# KiCad board poly_kb_molecule_8x5.kicad_pcb (continued)
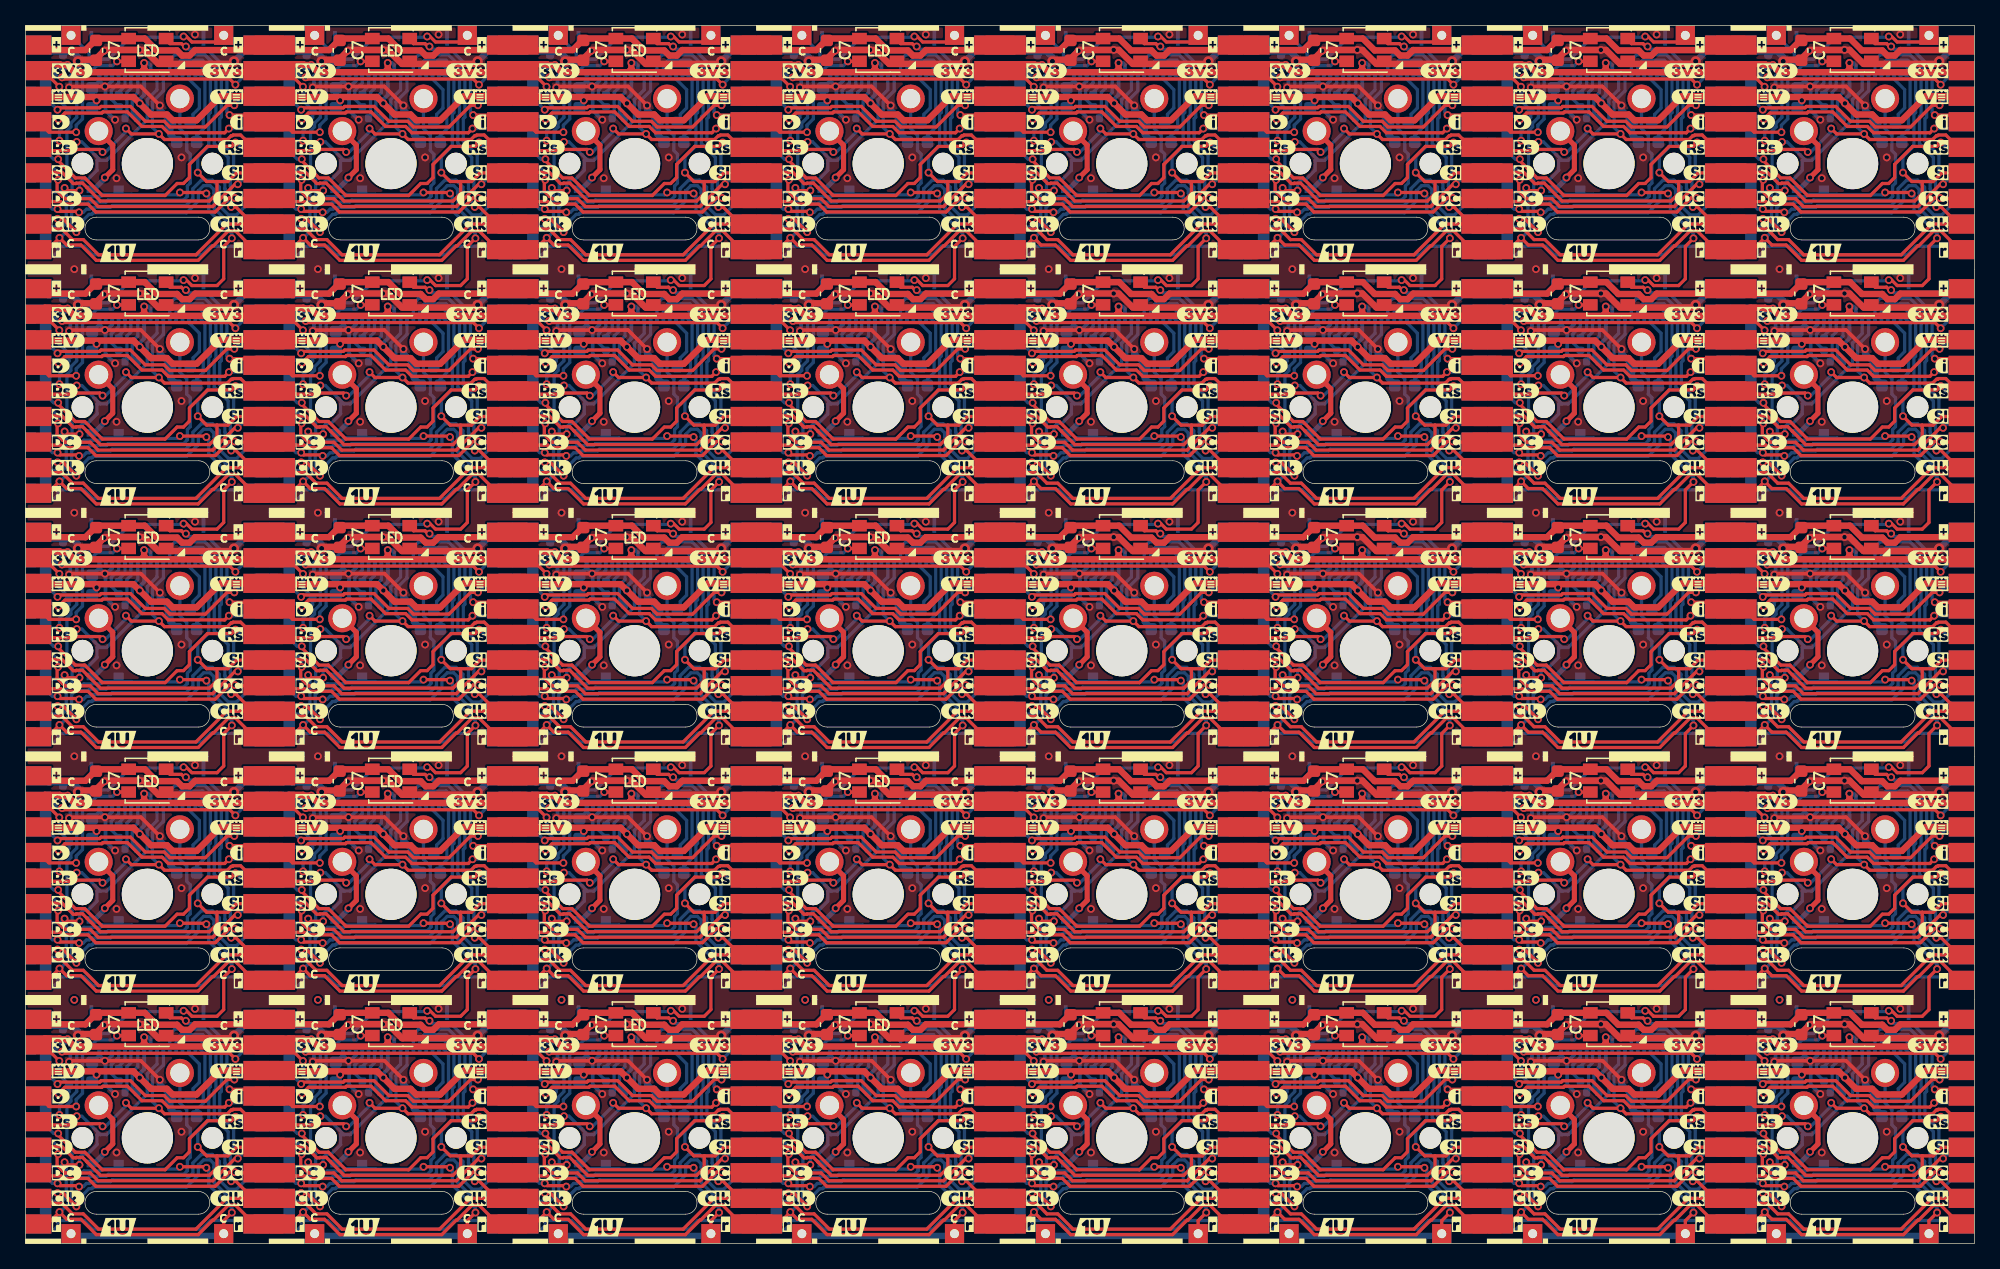
[diagram p0: board, top side]
## Routing (per net, layer and track width the routed paths; a pad name or vN(x,y) marks a point on that pad's centre or on a via; arc(x,y) is an arc through that point) (continued)
  Bottom w1.5: J5#25.9 J6#3.9 ; J6#35.9 J5#13.9 ; J5#40.9 J6#39.9 ; J6#15.9 J5#11.9 ; J6#10.9 J5#15.9 ; J6#12.9 J5#23.9 ; J6#11.9 J5#31.9 ; J5#33.9 J6#6.9 ; J6#27.9 J5#4.9 ; J5#20.9 J6#20.9 ; J6#18.9 J5#37.9 ; J6#37.9 J5#16.9 ; J6#26.9 J5#6.9 ; J5#36.9 J6#30.9 ; J6#22.9 J5#24.9 ; J6#13.9 J5#22.9 ; J6#14.9 J5#12.9 ; J6#31.9 J5#18.9 ; J5#17.9 J6#21.9 ; J6#40.9 J5#19.9 ; J5#9.9 J6#16.9 ; J6#32.9 J5#14.9 ; J6#28.9 J5#10.9 ; J6#19.9 J5#28.9 ; J6#29.9 J5#26.9 ; J6#25.9 J5#7.9 ; J6.9 J5#32.9 ; J6#34.9 J5#39.9 ; J6#8.9 J5#5.9 ; J5#35.9 J6#2.9 ; J6#17.9 J5#29.9 ; J6#7.9 J5#38.9 ; J5#30.9 J6#36.9 ; J6#23.9 J5#8.9 ; J5#2.9 J6#4.9
Net-(C1-Pad1): length 242
  Bottom w0.254: C1#34.1 108.62,67.59 109.14,68.11 109.14,69.45 109.27,69.58 109.27,71.96 108.84,72.39 J1#17.16 ; J1#21.16 89.79,53.34 90.22,52.91 90.22,50.53 90.09,50.4 90.09,49.06 89.58,48.54 C1#24.1 ; C1#17.1 32.42,29.49 32.94,30.01 32.94,31.35 33.07,31.48 33.07,33.86 32.64,34.29 J1#2.16 ; J1#19.16 127.89,53.34 128.32,52.91 128.32,50.53 128.19,50.4 128.19,49.06 127.68,48.54 C1#15.1 ; C1#30.1 70.53,86.64 71.04,87.16 71.04,88.5 71.17,88.63 71.17,91.01 70.74,91.44 J1#18.16 ; C1#5.1 146.72,86.64 147.24,87.16 147.24,88.5 147.37,88.63 147.37,91.01 146.94,91.44 J1#32.16 ; C1#12.1 32.42,67.59 32.94,68.11 32.94,69.45 33.07,69.58 33.07,71.96 32.64,72.39 J1#30.16 ; C1#36.1 13.38,48.54 13.89,49.06 13.89,50.4 14.02,50.53 14.02,52.91 13.59,53.34 J1#9.16 ; C1#31.1 13.38,29.49 13.89,30.01 13.89,31.35 14.02,31.48 14.02,33.86 13.59,34.29 J1#6.16 ; J1#34.16 51.69,34.29 52.12,33.86 52.12,31.48 51.99,31.35 51.99,30.01 51.47,29.49 C1#8.1 ; J1#23.16 32.64,53.34 33.07,52.91 33.07,50.53 32.94,50.4 32.94,49.06 32.42,48.54 C1#23.1 ; J1#38.16 108.84,91.44 109.27,91.01 109.27,88.63 109.14,88.5 109.14,87.16 108.62,86.64 C1#29.1 ; J1#35.16 70.74,53.34 71.17,52.91 71.17,50.53 71.04,50.4 71.04,49.06 70.53,48.54 C1#18.1 ; C1.1 13.38,86.64 13.89,87.16 13.89,88.5 14.02,88.63 14.02,91.01 13.59,91.44 J1.16 ; C1#20.1 108.62,29.49 109.14,30.01 109.14,31.35 109.27,31.48 109.27,33.86 108.84,34.29 J1#40.16 ; C1#3.1 127.68,86.64 128.19,87.16 128.19,88.5 128.32,88.63 128.32,91.01 127.89,91.44 J1#26.16 ; J1#27.16 51.69,15.24 52.12,14.81 52.12,12.43 51.99,12.3 51.99,10.96 51.47,10.44 C1#25.1 ; C1#13.1 70.53,10.44 71.04,10.96 71.04,12.3 71.17,12.43 71.17,14.81 70.74,15.24 J1#29.16 ; J1#7.16 108.84,53.34 109.27,52.91 109.27,50.53 109.14,50.4 109.14,49.06 108.62,48.54 C1#10.1 ; C1#21.1 127.68,10.44 128.19,10.96 128.19,12.3 128.32,12.43 128.32,14.81 127.89,15.24 J1#8.16 ; J1#16.16 146.94,72.39 147.37,71.96 147.37,69.58 147.24,69.45 147.24,68.11 146.72,67.59 C1#4.1 ; C1#19.1 89.58,86.64 90.09,87.16 90.09,88.5 90.22,88.63 90.22,91.01 89.79,91.44 J1#14.16 ; J1#22.16 13.59,15.24 14.02,14.81 14.02,12.43 13.89,12.3 13.89,10.96 13.38,10.44 C1#39.1 ; C1#35.1 108.62,10.44 109.14,10.96 109.14,12.3 109.27,12.43 109.27,14.81 108.84,15.24 J1#31.16 ; C1#2.1 127.68,29.49 128.19,30.01 128.19,31.35 128.32,31.48 128.32,33.86 127.89,34.29 J1#5.16 ; C1#26.1 32.42,86.64 32.94,87.16 32.94,88.5 33.07,88.63 33.07,91.01 32.64,91.44 J1#24.16 ; C1#6.1 89.58,10.44 90.09,10.96 90.09,12.3 90.22,12.43 90.22,14.81 89.79,15.24 J1#25.16 ; C1#22.1 127.68,67.59 128.19,68.11 128.19,69.45 128.32,69.58 128.32,71.96 127.89,72.39 J1#20.16 ; C1#38.1 32.42,10.44 32.94,10.96 32.94,12.3 33.07,12.43 33.07,14.81 32.64,15.24 J1#13.16 ; J1#3.16 70.74,34.29 71.17,33.86 71.17,31.48 71.04,31.35 71.04,30.01 70.53,29.49 C1#14.1 ; C1#40.1 51.47,86.64 51.99,87.16 51.99,88.5 52.12,88.63 52.12,91.01 51.69,91.44 J1#10.16 ; J1#37.16 89.79,34.29 90.22,33.86 90.22,31.48 90.09,31.35 90.09,30.01 89.58,29.49 C1#7.1 ; J1#15.16 146.94,15.24 147.37,14.81 147.37,12.43 147.24,12.3 147.24,10.96 146.72,10.44 C1#32.1 ; C1#16.1 13.38,67.59 13.89,68.11 13.89,69.45 14.02,69.58 14.02,71.96 13.59,72.39 J1#39.16 ; C1#37.1 51.47,67.59 51.99,68.11 51.99,69.45 52.12,69.58 52.12,71.96 51.69,72.39 J1#4.16 ; J1#28.16 146.94,34.29 147.37,33.86 147.37,31.48 147.24,31.35 147.24,30.01 146.72,29.49 C1#11.1 ; C1#28.1 51.47,48.54 51.99,49.06 51.99,50.4 52.12,50.53 52.12,52.91 51.69,53.34 J1#12.16 ; J1#11.16 146.94,53.34 147.37,52.91 147.37,50.53 147.24,50.4 147.24,49.06 146.72,48.54 C1#9.1 ; C1#33.1 89.58,67.59 90.09,68.11 90.09,69.45 90.22,69.58 90.22,71.96 89.79,72.39 J1#36.16 ; J1#33.16 70.74,72.39 71.17,71.96 71.17,69.58 71.04,69.45 71.04,68.11 70.53,67.59 C1#27.1
Net-(C4-Pad1): length 169.1
  Bottom w0.254: J1#27.15 50.88,14.85 51.69,14.04 51.69,12.6 51.19,12.11 51.19,11.56 ; J1#34.15 50.88,33.9 51.69,33.09 51.69,31.65 51.19,31.16 51.19,30.61 ; 146.44,68.71 146.44,69.26 146.94,69.75 146.94,71.19 146.12,72 J1#16.15 ; 108.34,68.71 108.34,69.26 108.84,69.75 108.84,71.19 108.03,72 J1#17.15 ; 89.29,68.71 89.29,69.26 89.79,69.75 89.79,71.19 88.97,72 J1#36.15 ; J1#18.15 69.92,91.05 70.74,90.24 70.74,88.8 70.24,88.31 70.24,87.76 ; J1.15 12.77,91.05 13.59,90.24 13.59,88.8 13.09,88.31 13.09,87.76 ; J1#32.15 146.12,91.05 146.94,90.24 146.94,88.8 146.44,88.31 146.44,87.76 ; J1#13.15 31.83,14.85 32.64,14.04 32.64,12.6 32.14,12.11 32.14,11.56 ; 89.29,87.76 89.29,88.31 89.79,88.8 89.79,90.24 88.97,91.05 J1#14.15 ; 127.39,30.61 127.39,31.16 127.89,31.65 127.89,33.09 127.07,33.9 J1#5.15 ; J1#4.15 50.88,72 51.69,71.19 51.69,69.75 51.19,69.26 51.19,68.71 ; J1#35.15 69.92,52.95 70.74,52.14 70.74,50.7 70.24,50.21 70.24,49.66 ; J1#38.15 108.03,91.05 108.84,90.24 108.84,88.8 108.34,88.31 108.34,87.76 ; 32.14,30.61 32.14,31.16 32.64,31.65 32.64,33.09 31.83,33.9 J1#2.15 ; 127.39,11.56 127.39,12.11 127.89,12.6 127.89,14.04 127.07,14.85 J1#8.15 ; 146.44,30.61 146.44,31.16 146.94,31.65 146.94,33.09 146.12,33.9 J1#28.15 ; 89.29,11.56 89.29,12.11 89.79,12.6 89.79,14.04 88.97,14.85 J1#25.15 ; J1#37.15 88.97,33.9 89.79,33.09 89.79,31.65 89.29,31.16 89.29,30.61 ; J1#7.15 108.03,52.95 108.84,52.14 108.84,50.7 108.34,50.21 108.34,49.66 ; J1#10.15 50.88,91.05 51.69,90.24 51.69,88.8 51.19,88.31 51.19,87.76 ; J1#6.15 12.77,33.9 13.59,33.09 13.59,31.65 13.09,31.16 13.09,30.61 ; J1#39.15 12.77,72 13.59,71.19 13.59,69.75 13.09,69.26 13.09,68.71 ; J1#21.15 88.97,52.95 89.79,52.14 89.79,50.7 89.29,50.21 89.29,49.66 ; 108.34,11.56 108.34,12.11 108.84,12.6 108.84,14.04 108.03,14.85 J1#31.15 ; 70.24,11.56 70.24,12.11 70.74,12.6 70.74,14.04 69.92,14.85 J1#29.15 ; 127.39,49.66 127.39,50.21 127.89,50.7 127.89,52.14 127.07,52.95 J1#19.15 ; J1#40.15 108.03,33.9 108.84,33.09 108.84,31.65 108.34,31.16 108.34,30.61 ; 13.09,11.56 13.09,12.11 13.59,12.6 13.59,14.04 12.77,14.85 J1#22.15 ; J1#33.15 69.92,72 70.74,71.19 70.74,69.75 70.24,69.26 70.24,68.71 ; 127.39,68.71 127.39,69.26 127.89,69.75 127.89,71.19 127.07,72 J1#20.15 ; 146.44,11.56 146.44,12.11 146.94,12.6 146.94,14.04 146.12,14.85 J1#15.15 ; 32.14,68.71 32.14,69.26 32.64,69.75 32.64,71.19 31.83,72 J1#30.15 ; J1#23.15 31.83,52.95 32.64,52.14 32.64,50.7 32.14,50.21 32.14,49.66 ; 32.14,87.76 32.14,88.31 32.64,88.8 32.64,90.24 31.83,91.05 J1#24.15 ; J1#26.15 127.07,91.05 127.89,90.24 127.89,88.8 127.39,88.31 127.39,87.76 ; 51.19,49.66 51.19,50.21 51.69,50.7 51.69,52.14 50.88,52.95 J1#12.15 ; J1#9.15 12.77,52.95 13.59,52.14 13.59,50.7 13.09,50.21 13.09,49.66 ; 146.44,49.66 146.44,50.21 146.94,50.7 146.94,52.14 146.12,52.95 J1#11.15 ; 70.24,30.61 70.24,31.16 70.74,31.65 70.74,33.09 69.92,33.9 J1#3.15
Net-(C5-Pad1): length 120.7
  Bottom w0.254: C5#40.1 140.05,32.34 140.05,33.03 140.62,33.6 J1#28.4 ; C5#19.1 25.75,70.44 25.75,71.13 26.32,71.7 J1#30.4 ; J1#37.4 83.47,33.6 82.9,33.03 82.9,32.34 C5#38.1 ; J1#14.4 83.47,90.75 82.9,90.18 82.9,89.49 C5#6.1 ; C5#33.1 25.75,51.39 25.75,52.08 26.32,52.65 J1#23.4 ; C5#4.1 25.75,13.29 25.75,13.98 26.32,14.55 J1#13.4 ; J1#3.4 64.42,33.6 63.85,33.03 63.85,32.34 C5#5.1 ; C5#27.1 140.05,70.44 140.05,71.13 140.62,71.7 J1#16.4 ; J1#15.4 140.62,14.55 140.05,13.98 140.05,13.29 C5#20.1 ; C5#23.1 6.7,51.39 6.7,52.08 7.27,52.65 J1#9.4 ; C5#32.1 101.95,13.29 101.95,13.98 102.53,14.55 J1#31.4 ; C5#39.1 44.8,32.34 44.8,33.03 45.38,33.6 J1#34.4 ; C5#25.1 121,13.29 121,13.98 121.57,14.55 J1#8.4 ; C5#17.1 82.9,51.39 82.9,52.08 83.47,52.65 J1#21.4 ; C5#7.1 44.8,70.44 44.8,71.13 45.38,71.7 J1#4.4 ; J1#7.4 102.53,52.65 101.95,52.08 101.95,51.39 C5#12.1 ; C5#16.1 44.8,89.49 44.8,90.18 45.38,90.75 J1#10.4 ; J1#38.4 102.53,90.75 101.95,90.18 101.95,89.49 C5#14.1 ; J1#25.4 83.47,14.55 82.9,13.98 82.9,13.29 C5#24.1 ; C5#18.1 63.85,13.29 63.85,13.98 64.42,14.55 J1#29.4 ; C5#3.1 25.75,89.49 25.75,90.18 26.32,90.75 J1#24.4 ; J1#5.4 121.57,33.6 121,33.03 121,32.34 C5#36.1 ; C5.1 6.7,89.49 6.7,90.18 7.27,90.75 J1.4 ; J1#39.4 7.27,71.7 6.7,71.13 6.7,70.44 C5#15.1 ; J1#18.4 64.42,90.75 63.85,90.18 63.85,89.49 C5#29.1 ; C5#8.1 6.7,13.29 6.7,13.98 7.27,14.55 J1#22.4 ; J1#36.4 83.47,71.7 82.9,71.13 82.9,70.44 C5#21.1 ; C5#9.1 101.95,70.44 101.95,71.13 102.53,71.7 J1#17.4 ; J1#11.4 140.62,52.65 140.05,52.08 140.05,51.39 C5#10.1 ; J1#33.4 64.42,71.7 63.85,71.13 63.85,70.44 C5#2.1 ; J1#2.4 26.32,33.6 25.75,33.03 25.75,32.34 C5#30.1 ; C5#37.1 121,89.49 121,90.18 121.57,90.75 J1#26.4 ; J1#6.4 7.27,33.6 6.7,33.03 6.7,32.34 C5#11.1 ; J1#40.4 102.53,33.6 101.95,33.03 101.95,32.34 C5#28.1 ; J1#35.4 64.42,52.65 63.85,52.08 63.85,51.39 C5#34.1 ; J1#12.4 45.38,52.65 44.8,52.08 44.8,51.39 C5#35.1 ; J1#27.4 45.38,14.55 44.8,13.98 44.8,13.29 C5#26.1 ; C5#13.1 140.05,89.49 140.05,90.18 140.62,90.75 J1#32.4 ; C5#31.1 121,70.44 121,71.13 121.57,71.7 J1#20.4 ; J1#19.4 121.57,52.65 121,52.08 121,51.39 C5#22.1
Net-(C5-Pad2): length 71
  Bottom w0.254: C5#39.2 45.39,32.9 45.88,33.38 J1#34.5 ; J1#31.5 103.03,14.33 102.54,13.85 C5#32.2 ; J1#28.5 141.12,33.38 140.64,32.9 C5#40.2 ; J1#24.5 26.82,90.53 26.34,90.05 C5#3.2 ; C5#6.2 83.49,90.05 83.97,90.53 J1#14.5 ; J1#40.5 103.03,33.38 102.54,32.9 C5#28.2 ; C5#15.2 7.29,71 7.77,71.48 J1#39.5 ; C5#21.2 83.49,71 83.97,71.48 J1#36.5 ; C5#29.2 64.44,90.05 64.92,90.53 J1#18.5 ; C5#27.2 140.64,71 141.12,71.48 J1#16.5 ; C5#37.2 121.59,90.05 122.07,90.53 J1#26.5 ; C5#9.2 102.54,71 103.03,71.48 J1#17.5 ; J1#15.5 141.12,14.33 140.64,13.85 C5#20.2 ; J1#30.5 26.82,71.48 26.34,71 C5#19.2 ; C5.2 7.29,90.05 7.77,90.53 J1.5 ; C5#14.2 102.54,90.05 103.03,90.53 J1#38.5 ; C5#35.2 45.39,51.95 45.88,52.43 J1#12.5 ; J1#10.5 45.88,90.53 45.39,90.05 C5#16.2 ; C5#26.2 45.39,13.85 45.88,14.33 J1#27.5 ; C5#8.2 7.29,13.85 7.77,14.33 J1#22.5 ; C5#25.2 121.59,13.85 122.07,14.33 J1#8.5 ; J1#4.5 45.88,71.48 45.39,71 C5#7.2 ; J1#11.5 141.12,52.43 140.64,51.95 C5#10.2 ; C5#12.2 102.54,51.95 103.03,52.43 J1#7.5 ; C5#5.2 64.44,32.9 64.92,33.38 J1#3.5 ; J1#20.5 122.07,71.48 121.59,71 C5#31.2 ; C5#33.2 26.34,51.95 26.82,52.43 J1#23.5 ; J1#9.5 7.77,52.43 7.29,51.95 C5#23.2 ; J1#6.5 7.77,33.38 7.29,32.9 C5#11.2 ; J1#2.5 26.82,33.38 26.34,32.9 C5#30.2 ; C5#22.2 121.59,51.95 122.07,52.43 J1#19.5 ; J1#35.5 64.92,52.43 64.44,51.95 C5#34.2 ; C5#24.2 83.49,13.85 83.97,14.33 J1#25.5 ; J1#5.5 122.07,33.38 121.59,32.9 C5#36.2 ; C5#2.2 64.44,71 64.92,71.48 J1#33.5 ; C5#13.2 140.64,90.05 141.12,90.53 J1#32.5 ; J1#29.5 64.92,14.33 64.44,13.85 C5#18.2 ; J1#21.5 83.97,52.43 83.49,51.95 C5#17.2 ; C5#38.2 83.49,32.9 83.97,33.38 J1#37.5 ; J1#13.5 26.82,14.33 26.34,13.85 C5#4.2
Net-(C6-Pad1): length 145.4
  Bottom w0.254: J1#32.6 141.59,91.4 141.59,90.33 141.28,90.02 141.28,88.16 C6#22.1 ; J1#24.6 27.29,91.4 27.29,90.33 26.98,90.02 26.98,88.16 C6#6.1 ; J1#38.6 103.49,91.4 103.49,90.33 103.18,90.02 103.18,88.16 C6#9.1 ; C6#30.1 46.03,69.11 46.03,70.97 46.34,71.28 46.34,72.35 J1#4.6 ; J1#11.6 141.59,53.3 141.59,52.23 141.28,51.92 141.28,50.06 C6#5.1 ; C6#27.1 122.23,50.06 122.23,51.92 122.54,52.23 122.54,53.3 J1#19.6 ; J1#18.6 65.39,91.4 65.39,90.33 65.08,90.02 65.08,88.16 C6#33.1 ; J1#22.6 8.24,15.2 8.24,14.13 7.93,13.82 7.93,11.96 C6#12.1 ; C6#38.1 65.08,11.96 65.08,13.82 65.39,14.13 65.39,15.2 J1#29.6 ; J1#16.6 141.59,72.35 141.59,71.28 141.28,70.97 141.28,69.11 C6#40.1 ; J1#20.6 122.54,72.35 122.54,71.28 122.23,70.97 122.23,69.11 C6#15.1 ; J1#13.6 27.29,15.2 27.29,14.13 26.98,13.82 26.98,11.96 C6#23.1 ; J1#33.6 65.39,72.35 65.39,71.28 65.08,70.97 65.08,69.11 C6#29.1 ; C6#26.1 122.23,11.96 122.23,13.82 122.54,14.13 122.54,15.2 J1#8.6 ; C6#8.1 103.18,69.11 103.18,70.97 103.49,71.28 103.49,72.35 J1#17.6 ; C6#4.1 46.03,88.16 46.03,90.02 46.34,90.33 46.34,91.4 J1#10.6 ; J1#36.6 84.44,72.35 84.44,71.28 84.13,70.97 84.13,69.11 C6#20.1 ; J1#23.6 27.29,53.3 27.29,52.23 26.98,51.92 26.98,50.06 C6#39.1 ; C6#28.1 122.23,88.16 122.23,90.02 122.54,90.33 122.54,91.4 J1#26.6 ; C6#32.1 84.13,31.01 84.13,32.87 84.44,33.18 84.44,34.25 J1#37.6 ; J1#39.6 8.24,72.35 8.24,71.28 7.93,70.97 7.93,69.11 C6#3.1 ; C6#21.1 84.13,50.06 84.13,51.92 84.44,52.23 84.44,53.3 J1#21.6 ; J1#27.6 46.34,15.2 46.34,14.13 46.03,13.82 46.03,11.96 C6#25.1 ; J1#40.6 103.49,34.25 103.49,33.18 103.18,32.87 103.18,31.01 C6#2.1 ; J1.6 8.24,91.4 8.24,90.33 7.93,90.02 7.93,88.16 C6.1 ; C6#17.1 7.93,50.06 7.93,51.92 8.24,52.23 8.24,53.3 J1#9.6 ; C6#35.1 141.28,11.96 141.28,13.82 141.59,14.13 141.59,15.2 J1#15.6 ; C6#11.1 84.13,88.16 84.13,90.02 84.44,90.33 84.44,91.4 J1#14.6 ; C6#10.1 65.08,31.01 65.08,32.87 65.39,33.18 65.39,34.25 J1#3.6 ; J1#5.6 122.54,34.25 122.54,33.18 122.23,32.87 122.23,31.01 C6#19.1 ; C6#34.1 141.28,31.01 141.28,32.87 141.59,33.18 141.59,34.25 J1#28.6 ; J1#30.6 27.29,72.35 27.29,71.28 26.98,70.97 26.98,69.11 C6#24.1 ; J1#34.6 46.34,34.25 46.34,33.18 46.03,32.87 46.03,31.01 C6#14.1 ; C6#16.1 7.93,31.01 7.93,32.87 8.24,33.18 8.24,34.25 J1#6.6 ; J1#31.6 103.49,15.2 103.49,14.13 103.18,13.82 103.18,11.96 C6#31.1 ; C6#37.1 26.98,31.01 26.98,32.87 27.29,33.18 27.29,34.25 J1#2.6 ; C6#13.1 103.18,50.06 103.18,51.92 103.49,52.23 103.49,53.3 J1#7.6 ; C6#18.1 65.08,50.06 65.08,51.92 65.39,52.23 65.39,53.3 J1#35.6 ; J1#25.6 84.44,15.2 84.44,14.13 84.13,13.82 84.13,11.96 C6#36.1 ; C6#7.1 46.03,50.06 46.03,51.92 46.34,52.23 46.34,53.3 J1#12.6
Net-(C6-Pad2): length 150.8
  Bottom w0.254: J1#18.7 65.92,90.02 65.49,89.59 65.49,88.4 C6#33.2 ; C6#18.2 65.49,50.3 65.49,51.49 65.92,51.92 J1#35.7 ; C6.2 8.34,88.4 8.34,89.59 8.77,90.02 J1.7 ; C6#29.2 65.49,69.35 65.49,70.54 65.92,70.97 J1#33.7 ; C6#27.2 122.64,50.3 122.64,51.49 123.07,51.92 J1#19.7 ; J1#29.7 65.92,13.82 65.49,13.39 65.49,12.2 C6#38.2 ; C6#28.2 122.64,88.4 122.64,89.59 123.07,90.02 J1#26.7 ; J1#31.7 104.03,13.82 103.59,13.39 103.59,12.2 C6#31.2 ; J1#21.7 84.97,51.92 84.54,51.49 84.54,50.3 C6#21.2 ; J1#15.7 142.12,13.82 141.69,13.39 141.69,12.2 C6#35.2 ; C6#32.2 84.54,31.25 84.54,32.44 84.97,32.87 J1#37.7 ; C6#4.2 46.44,88.4 46.44,89.59 46.88,90.02 J1#10.7 ; J1#23.7 27.83,51.92 27.39,51.49 27.39,50.3 C6#39.2 ; J1#39.7 8.77,70.97 8.34,70.54 8.34,69.35 C6#3.2 ; J1#24.7 27.83,90.02 27.39,89.59 27.39,88.4 C6#6.2 ; C6#22.2 141.69,88.4 141.69,89.59 142.12,90.02 J1#32.7 ; J1#40.7 104.03,32.87 103.59,32.44 103.59,31.25 C6#2.2 ; C6#12.2 8.34,12.2 8.34,13.39 8.77,13.82 J1#22.7 ; C6#7.2 46.44,50.3 46.44,51.49 46.88,51.92 J1#12.7 ; C6#16.2 8.34,31.25 8.34,32.44 8.77,32.87 J1#6.7 ; J1#25.7 84.97,13.82 84.54,13.39 84.54,12.2 C6#36.2 ; C6#14.2 46.44,31.25 46.44,32.44 46.88,32.87 J1#34.7 ; J1#4.7 46.88,70.97 46.44,70.54 46.44,69.35 C6#30.2 ; C6#13.2 103.59,50.3 103.59,51.49 104.03,51.92 J1#7.7 ; J1#28.7 142.12,32.87 141.69,32.44 141.69,31.25 C6#34.2 ; J1#14.7 84.97,90.02 84.54,89.59 84.54,88.4 C6#11.2 ; C6#20.2 84.54,69.35 84.54,70.54 84.97,70.97 J1#36.7 ; J1#38.7 104.03,90.02 103.59,89.59 103.59,88.4 C6#9.2 ; C6#15.2 122.64,69.35 122.64,70.54 123.07,70.97 J1#20.7 ; J1#30.7 27.83,70.97 27.39,70.54 27.39,69.35 C6#24.2 ; J1#9.7 8.77,51.92 8.34,51.49 8.34,50.3 C6#17.2 ; C6#25.2 46.44,12.2 46.44,13.39 46.88,13.82 J1#27.7 ; C6#19.2 122.64,31.25 122.64,32.44 123.07,32.87 J1#5.7 ; J1#3.7 65.92,32.87 65.49,32.44 65.49,31.25 C6#10.2 ; C6#40.2 141.69,69.35 141.69,70.54 142.12,70.97 J1#16.7 ; J1#8.7 123.07,13.82 122.64,13.39 122.64,12.2 C6#26.2 ; C6#5.2 141.69,50.3 141.69,51.49 142.12,51.92 J1#11.7 ; C6#37.2 27.39,31.25 27.39,32.44 27.83,32.87 J1#2.7 ; J1#13.7 27.83,13.82 27.39,13.39 27.39,12.2 C6#23.2 ; J1#17.7 104.03,70.97 103.59,70.54 103.59,69.35 C6#8.2
Net-(D1-Pad2): length 234.1
  Top w0.4: v1(63.35,83.36) 63.96,83.98 63.96,85.9 SW1#19.2 ; v1(120.5,7.16) 121.11,7.78 121.11,9.7 SW1#5.2 ; v1(101.45,26.21) 102.06,26.83 102.06,28.75 SW1#4.2 ; SW1#37.2 25.86,47.8 25.86,45.88 v1(25.25,45.26) ; SW1#30.2 63.96,9.7 63.96,7.78 v1(63.35,7.16) ; SW1#29.2 63.96,66.85 63.96,64.93 v1(63.35,64.31) ; SW1#35.2 140.16,66.85 140.16,64.93 v1(139.55,64.31) ; v1(101.45,83.36) 102.06,83.98 102.06,85.9 SW1#22.2 ; v1(139.55,45.26) 140.16,45.88 140.16,47.8 SW1#28.2 ; SW1#12.2 102.06,47.8 102.06,45.88 v1(101.45,45.26) ; v1(63.35,45.26) 63.96,45.88 63.96,47.8 SW1#16.2 ; v1(120.5,83.36) 121.11,83.98 121.11,85.9 SW1#10.2 ; SW1#3.2 102.06,9.7 102.06,7.78 v1(101.45,7.16) ; SW1.2 6.81,85.9 6.81,83.98 v1(6.2,83.36) ; v1(82.4,45.26) 83.01,45.88 83.01,47.8 SW1#2.2 ; SW1#18.2 25.86,66.85 25.86,64.93 v1(25.25,64.31) ; SW1#25.2 83.01,66.85 83.01,64.93 v1(82.4,64.31) ; v1(139.55,83.36) 140.16,83.98 140.16,85.9 SW1#34.2 ; v1(120.5,64.31) 121.11,64.93 121.11,66.85 SW1#23.2 ; v1(101.45,64.31) 102.06,64.93 102.06,66.85 SW1#14.2 ; SW1#15.2 6.81,28.75 6.81,26.83 v1(6.2,26.21) ; v1(6.2,64.31) 6.81,64.93 6.81,66.85 SW1#6.2 ; v1(25.25,26.21) 25.86,26.83 25.86,28.75 SW1#11.2 ; SW1#33.2 44.91,66.85 44.91,64.93 v1(44.3,64.31) ; SW1#36.2 25.86,9.7 25.86,7.78 v1(25.25,7.16) ; SW1#31.2 44.91,47.8 44.91,45.88 v1(44.3,45.26) ; SW1#39.2 44.91,85.9 44.91,83.98 v1(44.3,83.36) ; v1(44.3,26.21) 44.91,26.83 44.91,28.75 SW1#8.2 ; SW1#38.2 83.01,28.75 83.01,26.83 v1(82.4,26.21) ; v1(139.55,7.16) 140.16,7.78 140.16,9.7 SW1#32.2 ; v1(120.5,26.21) 121.11,26.83 121.11,28.75 SW1#7.2 ; v1(139.55,26.21) 140.16,26.83 140.16,28.75 SW1#27.2 ; v1(6.2,7.16) 6.81,7.78 6.81,9.7 SW1#13.2 ; v1(63.35,26.21) 63.96,26.83 63.96,28.75 SW1#20.2 ; v1(25.25,83.36) 25.86,83.98 25.86,85.9 SW1#21.2 ; v1(120.5,45.26) 121.11,45.88 121.11,47.8 SW1#9.2 ; v1(44.3,7.16) 44.91,7.78 44.91,9.7 SW1#40.2 ; v1(82.4,83.36) 83.01,83.98 83.01,85.9 SW1#17.2 ; v1(82.4,7.16) 83.01,7.78 83.01,9.7 SW1#26.2 ; v1(6.2,45.26) 6.81,45.88 6.81,47.8 SW1#24.2
  Bottom w0.25: 119.42,44.32 119.63,44.32 ; 62.27,82.42 62.48,82.42 ; 24.17,63.37 24.38,63.37 ; 100.37,63.37 100.58,63.37 ; 5.12,44.32 5.33,44.32 ; 119.42,25.27 119.63,25.27 ; 24.17,25.27 24.38,25.27 ; 62.27,6.22 62.48,6.22 ; 81.32,63.37 81.53,63.37 ; 43.22,63.37 43.43,63.37 ; 100.37,44.32 100.58,44.32 ; 100.37,6.22 100.58,6.22 ; 24.17,6.22 24.38,6.22 ; 43.22,6.22 43.43,6.22 ; 43.22,25.27 43.43,25.27 ; 81.32,44.32 81.53,44.32 ; 138.47,6.22 138.68,6.22 ; 119.42,6.22 119.63,6.22 ; 24.17,82.42 24.38,82.42 ; 81.32,25.27 81.53,25.27 ; 100.37,82.42 100.58,82.42 ; 100.37,25.27 100.58,25.27 ; 43.22,44.32 43.43,44.32 ; 62.27,44.32 62.48,44.32 ; 138.47,44.32 138.68,44.32 ; 81.32,6.22 81.53,6.22 ; 5.12,25.27 5.33,25.27 ; 138.47,63.37 138.68,63.37 ; 81.32,82.42 81.53,82.42 ; 5.12,63.37 5.33,63.37 ; 138.47,25.27 138.68,25.27 ; 119.42,82.42 119.63,82.42 ; 62.27,63.37 62.48,63.37 ; 43.22,82.42 43.43,82.42 ; 119.42,63.37 119.63,63.37 ; 5.12,6.22 5.33,6.22 ; 5.12,82.42 5.33,82.42 ; 24.17,44.32 24.38,44.32 ; 138.47,82.42 138.68,82.42 ; 62.27,25.27 62.48,25.27
  Bottom w0.4: v1(139.55,83.36) 139.55,83.29 138.68,82.42 ; v1(63.35,45.26) 63.35,45.19 62.48,44.32 ; v1(44.3,7.16) 44.3,7.09 43.43,6.22 ; 5.33,6.22 6.2,7.09 v1(6.2,7.16) ; v1(82.4,26.21) 82.4,26.14 81.53,25.27 ; 43.43,82.42 44.3,83.29 v1(44.3,83.36) ; v1(139.55,64.31) 139.55,64.24 138.68,63.37 ; v1(63.35,64.31) 63.35,64.24 62.48,63.37 ; v1(82.4,64.31) 82.4,64.24 81.53,63.37 ; v1(139.55,45.26) 139.55,45.19 138.68,44.32 ; v1(25.25,26.21) 25.25,26.14 24.38,25.27 ; v1(120.5,26.21) 120.5,26.14 119.63,25.27 ; 138.68,25.27 139.55,26.14 v1(139.55,26.21) ; v1(44.3,64.31) 44.3,64.24 43.43,63.37 ; v1(6.2,26.21) 6.2,26.14 5.33,25.27 ; 100.58,63.37 101.45,64.24 v1(101.45,64.31) ; 119.63,6.22 120.5,7.09 v1(120.5,7.16) ; 24.38,82.42 25.25,83.29 v1(25.25,83.36) ; v1(25.25,7.16) 25.25,7.09 24.38,6.22 ; v1(101.45,26.21) 101.45,26.14 100.58,25.27 ; 62.48,25.27 63.35,26.14 v1(63.35,26.21) ; 43.43,44.32 44.3,45.19 v1(44.3,45.26) ; v1(6.2,45.26) 6.2,45.19 5.33,44.32 ; 100.58,82.42 101.45,83.29 v1(101.45,83.36) ; v1(82.4,45.26) 82.4,45.19 81.53,44.32 ; 100.58,44.32 101.45,45.19 v1(101.45,45.26) ; 81.53,82.42 82.4,83.29 v1(82.4,83.36) ; 100.58,6.22 101.45,7.09 v1(101.45,7.16) ; 119.63,63.37 120.5,64.24 v1(120.5,64.31) ; v1(25.25,64.31) 25.25,64.24 24.38,63.37 ; v1(6.2,83.36) 6.2,83.29 5.33,82.42 ; 62.48,82.42 63.35,83.29 v1(63.35,83.36) ; 24.38,44.32 25.25,45.19 v1(25.25,45.26) ; 138.68,6.22 139.55,7.09 v1(139.55,7.16) ; v1(120.5,83.36) 120.5,83.29 119.63,82.42 ; v1(44.3,26.21) 44.3,26.14 43.43,25.27 ; 5.33,63.37 6.2,64.24 v1(6.2,64.31) ; v1(82.4,7.16) 82.4,7.09 81.53,6.22 ; 119.63,44.32 120.5,45.19 v1(120.5,45.26) ; v1(63.35,7.16) 63.35,7.09 62.48,6.22

## Copper pours and planes (outline as drawn; the poured copper is in the pictures)
/Keyboard/sheet605ED2EB/GND on Top: 217.91,-9.06 -14,-9.06 -14,115.15 217.91,115.15
/Keyboard/sheet605ED2EB/GND on Bottom: 211.08,-4.21 -7.65,-4.21 -7.65,122.14 211.08,122.14

## Text on the board
B.Silkscreen: C3 | by / thpoll | c | .1 | 8 | DispPort | 16 | 1 | 2 | 3 | 4 | 5 | 6 | 7 | CS | . | ATOM2 | POLYKB
User.Comments: JLCJLCJLCJLC | CUT OUT
F.Silkscreen: L | E | D | c
